# Altium PCB ASP-0.PcbDoc (part 2 of 4)
Units mm, origin at the board's own origin, x right, y up, seen from the top; angles counter-clockwise.
Board outline 200 x 170 mm, 2 copper layers (Top Layer, Bottom Layer); 290 components, 293 nets, 1338 pads, 464 vias.
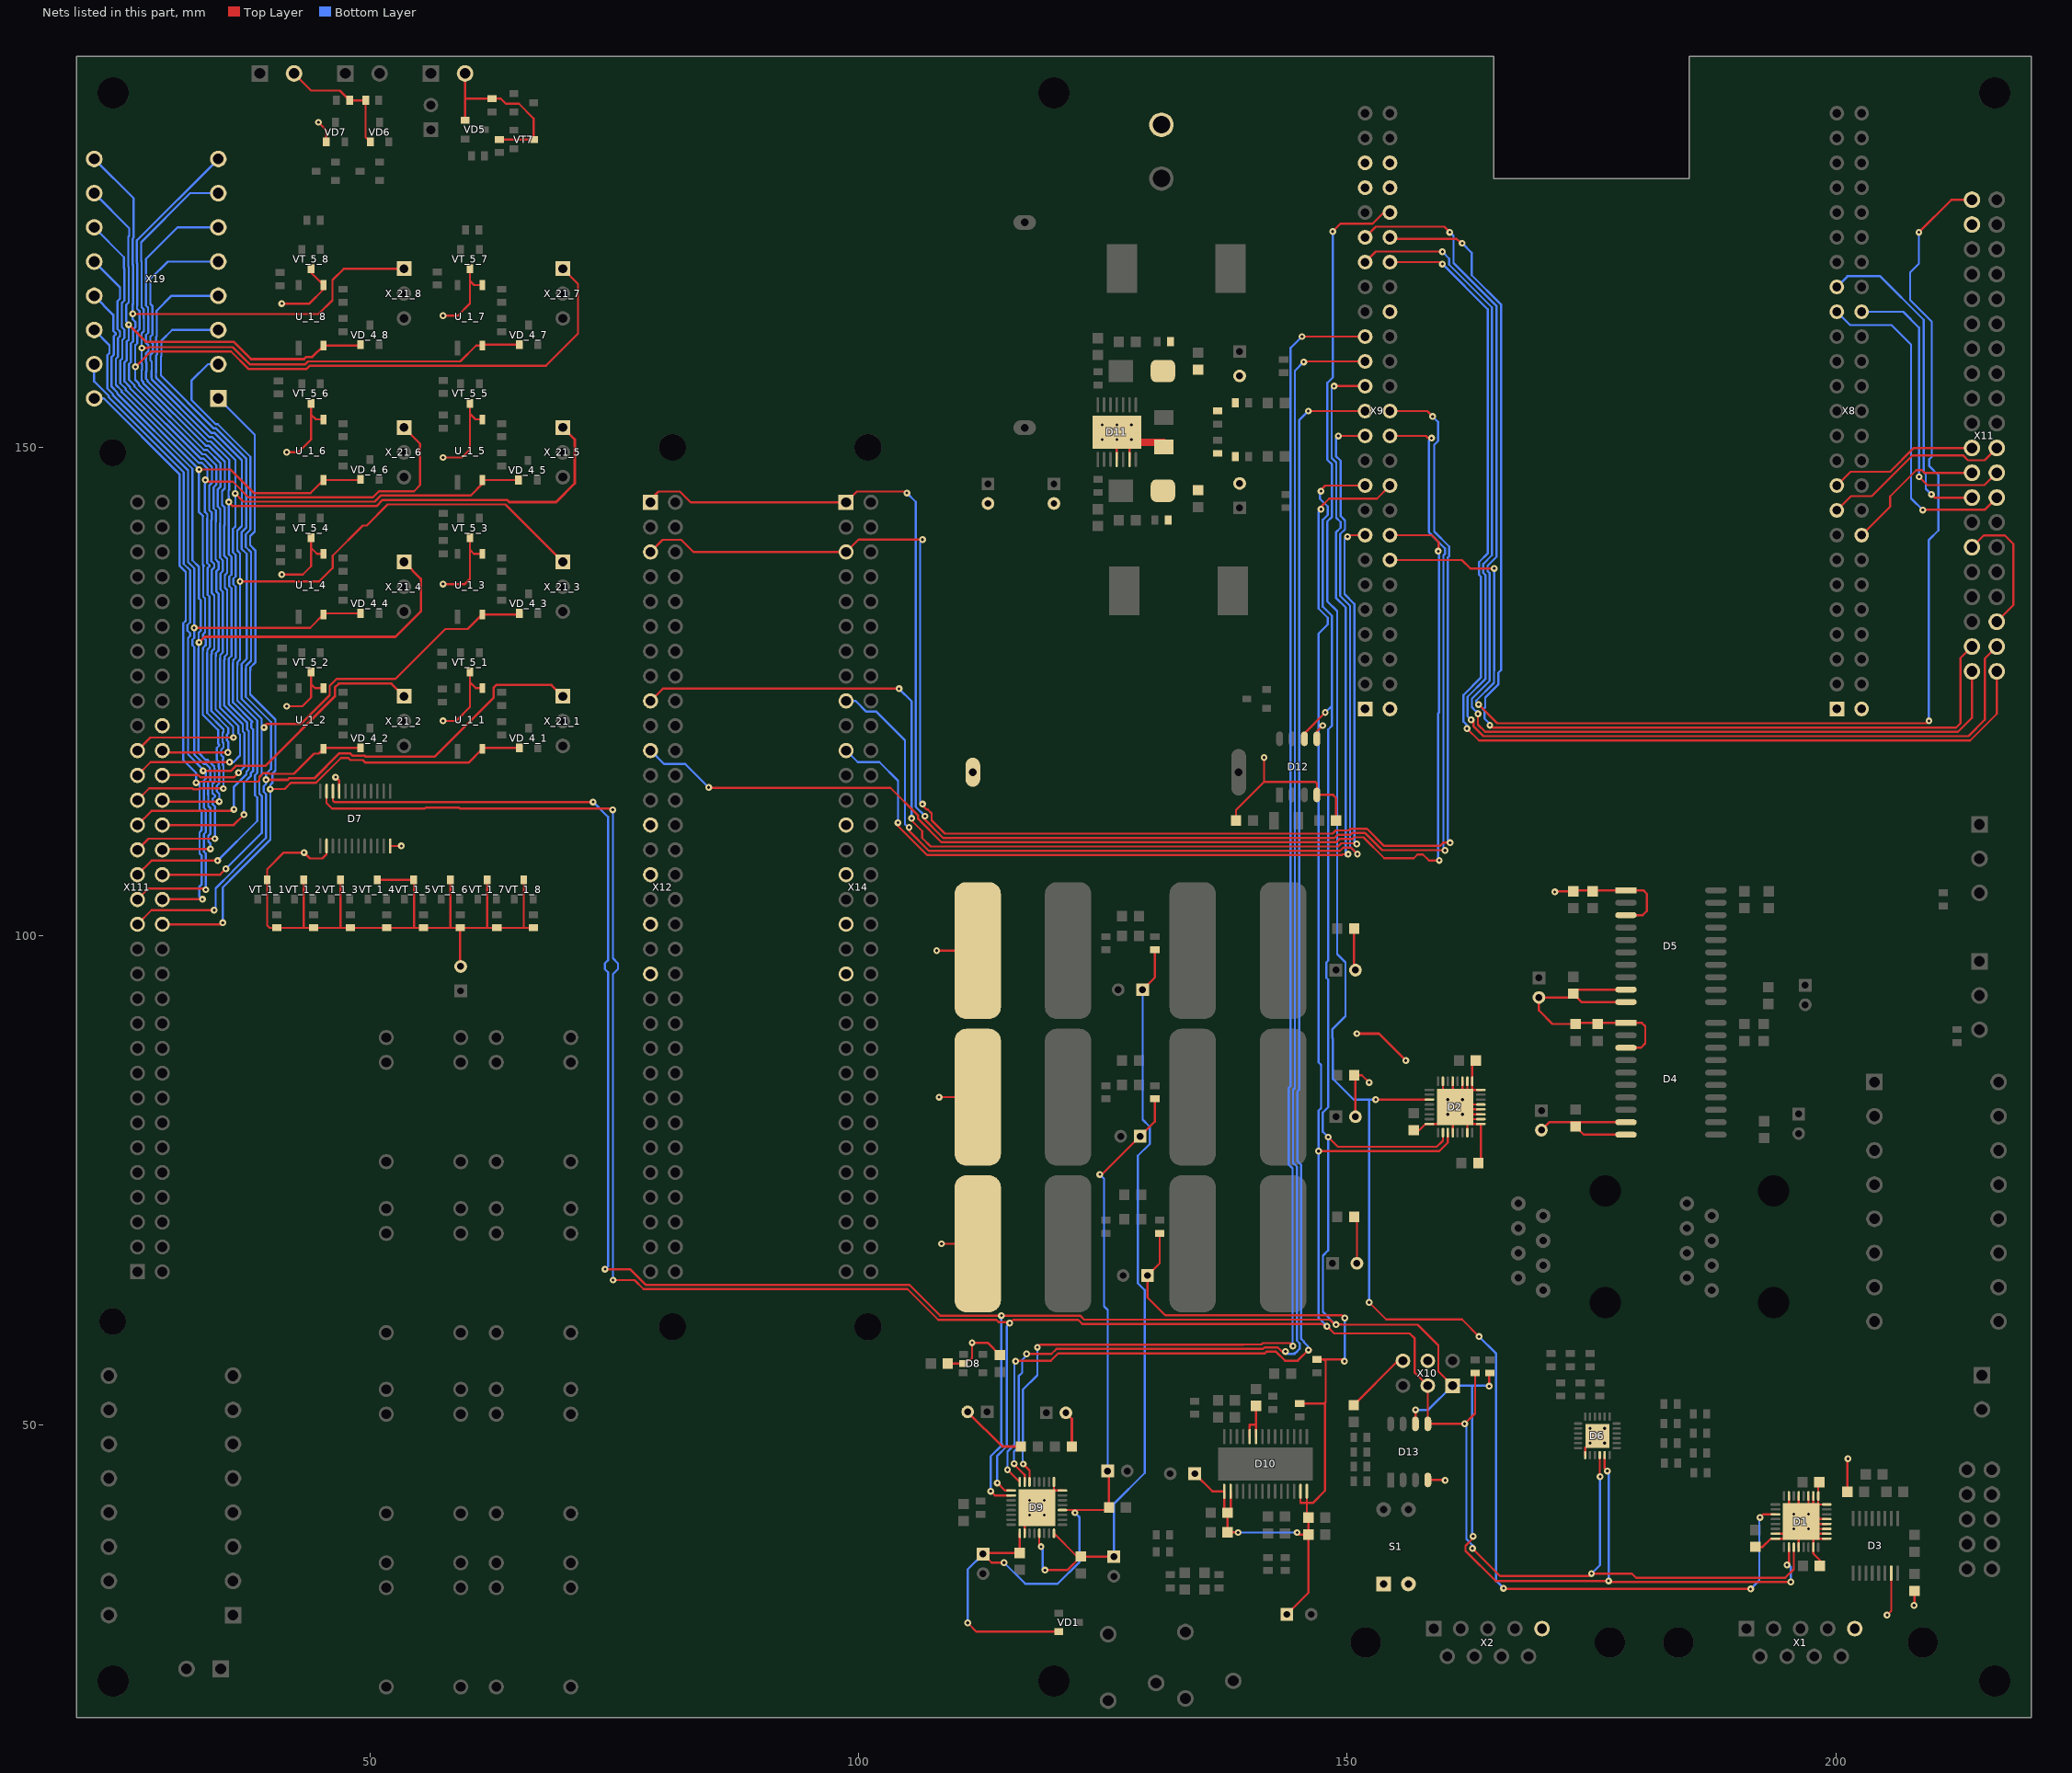
[diagram p2: the nets of this part, all layers, seen from the top]

## Via types
v1: diameter 0.7, hole 0.3, Top Layer to Bottom Layer, 444 vias
v2: diameter 0.7, hole 0.3, Top Layer to Bottom Layer, tented both sides, 20 vias

## Nets (pads, with @x,y where several pads share a name; then routed paths per layer and width w, separated by ;. In a path a pad name is that pad's centre, name@x,y a point inside that pad or via, vN(x,y) a via of type N, cw(c..) or ccw(c..) an arc to the next point about the centre after c; other vN are vias at no path point) (continued)
AUD_3V3: C27.1 C28.2 C29.1 C30.2 C67.1 D9.17 D9.28 L7.2 VD1.2 | length 90.4
  Top Layer w0.22: v1(111.175,29.7) 112.075,28.8 VD1.2@120.5,28.8 ; v1(114.9,35.875) 113.625,35.875 C27.1@112.75,36.75 112.865,36.865 C28.2@116.5,36.865 D9.17@116.5,38.875 ; D9.28@120.875,41.25 121.875,41.25 ; v1(122.15,40.975) 121.875,41.25 ; v1(124.7,75.6) 124.925,75.6 C67.1@128.825,79.5 130.325,81 L7.2@130.325,83.325 ; C29.1@125.5,45.25 125.635,45.115 C30.2@125.635,41.5 125.385,41.25 121.875,41.25
  Bottom Layer w0.22: v1(111.175,29.7) 111.175,35.175 C27.1@112.75,36.75 ; v1(114.9,35.875) 117.075,33.7 120.375,33.7 122.625,35.95 122.625,40.5 v1(122.15,40.975) ; v1(124.7,75.6) 125.135,75.165 125.135,62.093 125.5,61.728 125.5,53.825 C29.1@125.5,45.25
AUD_5V: C32.1 C33.2 C86.1 D9.21 D9.24 L15.2 | length 80.7
  Top Layer w0.22: D9.21@118.5,38.875 118.5,37.683 v1(118.681,37.502) ; v1(119.081,35.102) 121.362,35.102 C33.2@122.75,36.49 ; D9.24@120,38.875 122.385,36.49 C33.2@122.75,36.49 ; C32.1@126.125,36.475 122.765,36.475 C33.2@122.75,36.49 ; C86.1@129.075,94.5 130.325,95.75 L15.2@130.325,98.575
  Bottom Layer w0.22: v1@118.681,37.319 v1(118.681,37.502) 118.86,37.323 118.86,35.14 118.898,35.102 v1(119.081,35.102) ; C32.1@126.125,36.475 126.125,41.867 129.301,45.043 129.301,63.757 128.595,64.463 128.595,77.503 129.805,78.713 129.805,80.48 129.075,81.21 C86.1@129.075,94.5
AUD_12V: C34.1 C35.2 C37.2 C39.1 C40.2 C41.2 C72.1 D10.15 D10.16 D10.27 D10.28 L11.2 R4.1 R5.1 | length 88.3
  Top Layer w0.22: L11.2@130.825,69.575 130.825,66.5 C72.1@129.575,65.25 129.575,63 131.405,61.17 149.48,61.17 v1(149.75,60.9) ; C39.1@134.4,44.975 136.2,43.175 D10.15@137.425,43.175 137.425,41.315 C41.2@137.765,40.975 ; D10.16@138.075,43.175 138.075,41.285 C41.2@137.765,40.975 ; v1(138.85,38.95) 138.825,38.975 C40.2@137.765,38.975 C41.2@137.765,40.975 ; C34.1@143.825,30.575 146.035,32.785 C37.2@146.035,38.725 ; v1(144.875,38.95) 145.1,38.725 C37.2@146.035,38.725 ; R4.1@145.15,52.15 147.65,52.15 147.75,52.25 ; D10.27@145.225,43.175 145.225,41.975 145.875,41.975 ; D10.28@145.875,43.175 145.875,41.975 ; R5.1@146.9,56.65 147.625,56.65 ; v1(149.725,56.475) 149.55,56.65 147.625,56.65 ; 145.875,41.975 145.875,40.635 C35.2@146.035,40.475 C37.2@146.035,38.725 ; 145.875,41.975 146.475,41.975 147.75,43.25 147.75,52.25 ; 147.625,56.65 147.8,56.475 147.8,52.3 147.75,52.25
  Bottom Layer w0.22: v1(138.85,38.95) v1(144.875,38.95) ; v1(149.725,56.475) 149.75,56.475 v1(149.75,60.9)
AUDBCLK: D9.6 X9.31 | length 151.9
  Top Layer w0.22: v1(116.851,45.961) 117.5,45.312 D9.6@117.5,44.125 ; v1(118.306,57.903) 118.588,58.185 139.371,58.185 139.376,58.19 141.23,58.19 141.375,58.336 144.128,58.336 144.457,58.007 v1(144.457,58.028) ; v1(145.375,161.325) X9.31@151.844,161.325
  Bottom Layer w0.22: v1(116.851,45.961) 116.8,46.012 116.8,47.503 116.831,47.533 116.831,53.575 118.3,55.044 118.3,57.897 v1(118.306,57.903) ; v1(144.457,58.028) 144.578,58.028 144.42,58.186 144.42,76.202 144.025,76.597 144.025,84.439 144.21,84.624 144.21,160.16 v1(145.375,161.325)
AUDMCLK: D9.8 X9.25 | length 147.5
  Top Layer w0.22: v1(115.25,45.375) D9.8@116.5,44.125 ; v1(116.081,56.478) 116.136,56.533 119.683,56.533 120.43,57.28 141.564,57.28 141.74,57.456 142.719,57.456 143.64,56.535 144.947,56.535 v1(146.037,57.625) v1@146.325,57.625 ; v1(146.03,153.705) X9.25@151.844,153.705
  Bottom Layer w0.22: v1(115.25,45.375) 115.25,47.225 115.951,47.926 115.951,56.348 v1(116.081,56.478) ; v1(146.03,153.705) 145.09,152.765 145.09,84.26 144.905,84.075 144.905,76.962 145.3,76.567 145.3,58.769 145.577,58.492 145.577,58.424 145.995,58.006 145.995,57.667 v1(146.037,57.625)
AUDWCLK: D9.7 X9.29 | length 151.2
  Top Layer w0.22: v1(115.931,46.002) 115.931,45.919 117,44.85 D9.7@117,44.125 ; v1(117.206,57.228) 117.2,57.222 119.75,57.222 120.273,57.745 141.407,57.745 141.558,57.896 142.901,57.896 143.447,57.35 143.554,57.35 v1(143.682,57.478) ; v1(145.557,158.733) 145.537,158.733 145.485,158.785 X9.29@151.844,158.785
  Bottom Layer w0.22: v1(115.931,46.002) 115.9,46.033 115.9,47.225 116.391,47.716 116.391,54.941 116.761,55.311 116.761,56.611 117.206,57.056 v1(117.206,57.228) ; v1(143.682,57.478) 143.682,57.468 143.925,57.225 144.637,57.225 144.637,57.348 144.739,57.348 145.137,57.746 145.137,58.309 144.86,58.587 144.86,76.385 144.465,76.78 144.465,84.257 144.65,84.442 144.65,157.826 v1(145.557,158.733)
EHRPWM1A: X9.14 X11.1 | length 131.8
  Top Layer w0.22: X9.14@154.384,138.465 161.735,138.465 162.6,137.6 v1(165.05,137.6) ; v1(163.45,123.675) 165.365,121.76 209.289,121.76 v1(209.535,122.006) ; v1(208.5,172) 211.83,175.33 X11.1@213.93,175.33
  Bottom Layer w0.22: v1(163.45,123.675) 163.21,123.915 163.21,124.093 165.02,125.903 165.02,127.095 165.05,127.125 v1(165.05,137.6) ; v1(208.5,172) 208.5,168.785 207.605,167.89 207.605,165.067 209.815,162.857 209.815,149.027 209.57,148.782 209.57,148.07 210.5,147.14 210.5,141.5 209.525,140.525 209.525,121.996 v1(209.535,122.006)
EXT0_INT0: X9.15 X12.A9 | length 121.2
  Top Layer w0.22: X12.A9@78.73,124.05 79.98,125.3 v1(104.15,125.3) ; v1(105.43,112.03) 105.4,112 105.4,111.85 106.525,110.725 106.525,110.014 107.394,109.145 149.075,109.145 149.406,109.475 150.716,109.475 150.786,109.405 v1(150.982,109.405) ; v1(150.032,140.857) 150.18,141.005 X9.15@151.844,141.005
  Bottom Layer w0.22: v1(104.15,125.3) 105.43,124.02 v1(105.43,112.03) ; v1(150.032,140.857) 150.014,140.875 149.735,140.596 149.735,134.966 150.735,133.966 150.735,109.653 v1(150.982,109.405)
EXT0_INT1: X9.16 X12.A11 | length 124.3
  Top Layer w0.22: v1(84.675,115.2) 84.725,115.15 103.272,115.15 106.11,112.312 106.11,111.965 108.49,109.585 148.875,109.585 149.205,109.915 150.531,109.915 150.701,110.085 151.662,110.085 153.803,107.945 156.808,107.945 157.193,108.33 157.757,108.33 158.362,107.725 v1(159.425,107.725) ; X9.16@154.384,141.005 158.657,141.005 159.355,140.307 159.355,139.404 v1(159.32,139.369)
  Bottom Layer w0.22: X12.A11@78.73,118.97 80.1,117.6 82.275,117.6 v1(84.675,115.2) ; v1(159.32,139.369) 159.406,139.369 159.406,122.868 159.32,122.782 159.32,107.83 v1(159.425,107.725)
EXT1_INT0: X9.23 X14.A9 | length 111.3
  Top Layer w0.22: v1(105.18,111.105) 105.18,110.737 107.212,108.705 149.258,108.705 149.588,109.035 150.389,109.035 v1@151.049,108.375 ; v1(149.107,151.157) 149.115,151.165 X9.23@151.844,151.165
  Bottom Layer w0.22: X14.A9@98.73,124.05 99.707,124.05 100.812,122.945 101.83,122.945 104.75,120.025 104.75,111.425 105.07,111.105 v1(105.18,111.105) ; v1(149.107,151.157) 148.855,150.905 148.855,149.09 149.332,148.612 149.332,142.966 149.777,142.521 149.777,141.593 149.295,141.111 149.295,134.783 150.295,133.783 150.295,109.13 v1(151.05,108.375)
EXT1_INT1: X9.27 X14.A11 | length 111.2
  Top Layer w0.22: v1(104.045,111.589) 104.045,111.25 107.03,108.265 149.44,108.265 149.53,108.355 v1(150.107,108.355) ; v1(148.657,156.258) 151.831,156.258 X9.27@151.844,156.245
  Bottom Layer w0.22: X14.A11@98.73,118.97 99.925,117.775 102.15,117.775 104.045,115.88 v1(104.045,111.589) ; v1(148.657,156.258) 148.415,156.015 148.415,148.907 148.892,148.43 148.892,142.784 149.337,142.339 149.337,141.775 148.855,141.293 148.855,134.601 149.855,133.601 149.855,108.227 149.917,108.165 v1(150.107,108.355)
EXT_CLK: D1.3 D2.3 X9.42 | length 201.1
  Top Layer w0.22: v1(148.525,172.075) 149.325,172.875 152.6,172.875 153.75,174.025 X9.42@154.384,174.025 ; v1(152.25,62.5) 154,60.75 161.75,60.75 v1(163.5,59) ; v1(152.925,83.25) D2.3@158.425,83.25 ; v1(166,33.25) 166.073,33.177 v1(191.284,33.177) ; v1(192.25,40.5) 192.575,40.825 D1.3@193.825,40.825
  Bottom Layer w0.22: v1(148.525,172.075) 148.525,157.742 148.53,157.737 148.53,157.143 147.975,156.588 147.975,148.725 148.452,148.248 148.452,142.89 147.975,142.413 147.975,134.237 148.975,133.237 148.975,98.142 149.83,97.287 149.83,91.792 148.503,90.465 148.503,89.535 148.545,89.493 148.545,85.38 150.675,83.25 152.25,83.25 ; v1(152.25,62.5) 152.25,83.25 ; v1(152.925,83.25) 152.25,83.25 ; v1(163.5,59) 165.25,57.25 165.25,34 v1(166,33.25) ; v1(191.284,33.177) 192.18,34.072 192.18,40.43 v1(192.25,40.5)
GND: C3.2 C4.2 C5.2 C6.2 C7.2 C8.2 C9.2 C10.2 C11.1 C13.1 C22.2 C23.1 C24.1 C25.2 C26.1 C31.1 C49.1 C50.2 C54.2 C55.2 C59.2 C60.1 C61.2 C62.2 C63.2 C64.1 C68.2 C69.1 C73.1 C74.1 C75.1 C76.1 C77.1 C78.1 C79.2 C80.2 C81.2 C82.2 C83.1 D1.7 D1.8 D1.12 D1.15 D1.17 D1.18 D1.19 D1.20 D1.21 D1.24 D1.25 D1.26 D1.27 D1.29 D1.31 D1.33 D2.8 D2.12 D2.15 D2.17 D2.18 D2.19 D2.20 D2.21 D2.24 D2.25 D2.26 D2.27 D2.29 D2.31 D2.33 D3.15 D4.1 D4.3 D4.9 D4.10 D5.1 D5.3 D5.9 D5.10 D6.19 D6.25 D7.2 D7.12 D7.21 D8.2 D9.1 D9.18 D9.32 D9.33 D11.4 D11.6 D11.15 D12.4 D13.4 G1.- L2.1 L10.1 L14.1 R8.2 R9.2 R12.1 R14.1 R16.1 R17.1 R19.1 R21.1 R41.1 R43.1 R_3_1.1 R_3_2.1 R_3_3.1 R_3_4.1 R_3_5.1 R_3_6.1 R_3_7.1 R_3_8.1 S1.1 S1.3 U_1_1.3 U_1_2.3 U_1_3.3 U_1_4.3 U_1_5.3 U_1_6.3 U_1_7.3 U_1_8.3 VD2.1 VD3.1 VD5.1 VD6.1 VD7.1 VT7.3 VT_1_1.3 VT_1_2.3 VT_1_3.3 VT_1_4.3 VT_1_5.3 VT_1_6.3 VT_1_7.3 VT_1_8.3 VT_5_1.3 VT_5_2.3 VT_5_3.3 VT_5_4.3 VT_5_5.3 VT_5_6.3 VT_5_7.3 VT_5_8.3 X1.5 X2.5 X8.1 X8.2 X9.1 X9.2 X9.43 X9.44 X9.45 X9.46 X10.4 X10.6 X11.3 X11.29 X11.36 X12.A14 X12.A16 X12.A18 X12.A20 X14.A14 X14.A16 X14.A18 X14.A20 X20.2 X25.2 X71.2 X111.B23 | length 429.5
  Top Layer w0.22: v1(41,136.975) 43.15,136.975 44,137.825 44,139.7 ; v1(41,164.7) 43.825,164.7 45.27,166.145 U_1_8.3@45.27,166.6 44,167.87 VT_5_8.3@44,168.25 ; v1(41.5,123.5) 43.1,123.5 44,124.4 44,125.75 ; v1(41.5,149.5) 42.7,149.5 44,150.8 44,153.325 ; X71.2@42.25,188.25 44,186.5 46.925,186.5 R8.2@47.925,185.5 R9.2@49.575,185.5 49.575,181.725 VD6.1@50.05,181.25 ; 43.25,100.875 VT_1_2.3@43.25,105.75 ; VT_5_2.3@44,127 44,125.75 ; VT_5_4.3@44,140.75 44,139.7 ; VT_5_6.3@44,154.5 44,153.325 ; v1(44.75,183.25) 45.55,182.45 VD7.1@45.55,181.25 ; U_1_2.3@45.27,125.35 44.4,125.35 44,125.75 ; U_1_4.3@45.27,139.1 44.6,139.1 44,139.7 ; U_1_6.3@45.27,152.85 44.475,152.85 44,153.325 ; D7.2@45.575,109.2 45.575,108.35 45.15,107.925 43.875,107.925 v1(43.275,108.525) 41.2,108.525 39.5,106.825 VT_1_1.3@39.5,105.75 39.5,101.075 39.75,100.825 R_3_1.1@40.5,100.825 R_3_2.1@44.25,100.825 47,100.825 ; v1(46.5,116.25) 46.875,115.875 D7.21@46.875,114.8 ; VT_1_3.3@47,105.75 47,100.825 ; VT_1_4.3@50.75,105.75 VT_1_5.3@54.5,105.75 ; D7.12@52.075,109.2 v1(53.225,109.2) ; VT_1_5.3@54.525,105.725 54.525,100.825 ; v1(57.5,122) 58.825,122 60.25,123.425 60.25,125.95 ; v1(57.5,136) 59.725,136 60.25,136.525 60.25,139.5 ; v1(57.5,148.95) 59.425,148.95 60.25,149.775 60.25,153.425 ; v1(57.5,163.475) 59,163.475 60.25,164.725 60.25,167.025 ; VT_1_6.3@58.25,105.75 58.25,100.85 58.225,100.825 ; C79.2@59.3,96.875 59.25,96.925 R_3_6.1@59.25,100.825 ; VD5.1@59.75,183.45 59.75,185.675 ; X20.2@59.75,188.25 59.75,185.675 ; VT_5_1.3@60.25,127 60.25,125.95 ; VT_5_3.3@60.25,140.75 60.25,139.5 ; VT_5_5.3@60.25,154.5 60.25,153.425 ; VT_5_7.3@60.25,168.25 60.25,167.025 ; U_1_1.3@61.52,125.35 60.85,125.35 60.25,125.95 ; U_1_3.3@61.52,139.1 60.65,139.1 60.25,139.5 ; U_1_5.3@61.52,152.85 60.825,152.85 60.25,153.425 ; U_1_7.3@61.52,166.6 60.675,166.6 60.25,167.025 ; VT_1_7.3@62,105.75 62,100.825 ; R41.1@63.25,181.5 VT7.3@66.75,181.5 66.75,183.65 65.25,185.15 63.925,185.15 63.4,185.675 R43.1@62.5,185.675 59.75,185.675 ; VT_1_8.3@65.75,105.75 65.75,100.825 ; R_3_8.1@66.75,100.825 65.75,100.825 ; v1(108,98.5) L14.1@112.2,98.5 ; v1(108.25,83.5) L2.1@112.2,83.5 ; v1(108.5,68.5) L10.1@112.2,68.5 ; C24.1@109.14,56.25 D8.2@110.75,56.25 111.02,56.52 111.337,56.52 111.625,56.808 v1(111.625,58.375) 113.215,58.375 C31.1@114.475,57.115 ; D9.18@117,38.875 117,40.25 D9.33@118.25,41.5 D9.33@120,43.25 ; D9.1@120,44.125 D9.33@120,43.25 ; D9.32@120.875,43.25 D9.33@120,43.25 ; D11.4@126.431,148.75 v1(126.431,150.8) ; D11.6@127.731,148.75 127.731,150.6 v2(127.931,150.8) ; C80.2@138.635,111.8 138.635,112.885 141.5,115.75 ; v1(141.5,118.25) 141.5,115.75 ; C81.2@148.865,111.8 148.865,114.135 148.57,114.43 D12.4@146.905,114.43 146.905,115.595 146.75,115.75 141.5,115.75 ; C62.2@150.675,51.99 155.205,56.52 X10.6@155.71,56.52 ; C69.1@150.715,71.25 151,70.965 C68.2@151,66.5 ; C83.1@150.715,100.75 150.715,96.635 C82.2@150.85,96.5 ; C63.2@150.85,81.5 150.85,85.615 C64.1@150.715,85.75 151.5,85.75 v1(152.25,85) ; C74.1@156.8,80.135 157.4,80.135 158.015,80.75 D2.8@158.425,80.75 159.3,80.75 v1(160.3,81.75) D2.33@160.8,82.25 ; D13.4@158.255,44.33 159.995,44.33 v1(160.025,44.3) ; D2.31@159.8,85.125 159.8,83.75 v1(160.3,83.25) 160.8,83.75 D2.29@160.8,85.125 ; D2.12@160.8,79.875 D2.33@160.8,82.25 ; D2.27@161.8,85.125 v1(161.8,83.25) ; D2.15@162.3,79.875 D2.33@162.3,81.25 ; D2.26@162.3,85.125 D2.33@162.3,83.75 ; C78.1@163.165,87.25 162.8,86.885 D2.25@162.8,85.125 D2.33@162.8,84.25 ; C76.1@163.415,76.75 163.675,77.01 D2.17@163.675,80.75 162.8,80.75 D2.33@162.3,81.25 ; D2.18@163.675,81.25 D2.33@162.3,81.25 ; D2.19@163.675,81.75 v1(161.8,81.75) ; D2.20@163.675,82.25 162.3,82.25 v1(161.8,81.75) ; D2.21@163.675,82.75 162.3,82.75 v1(161.8,83.25) ; D2.24@163.675,84.25 D2.33@162.8,84.25 ; C3.2@169.875,80.127 170.68,80.932 D4.9@178.525,80.932 ; v1(171.25,104.5) 171.317,104.567 C9.2@173.125,104.567 173.225,104.667 D5.1@178.525,104.667 180.308,104.667 180.675,104.3 180.675,102.55 180.252,102.127 D5.3@178.525,102.127 ; C6.2@173.375,80.512 174.225,79.662 D4.10@178.525,79.662 ; D6.19@174.35,46.875 174.38,46.905 174.38,47.63 v1(174.85,48.1) D6.25@175.6,48.85 ; D4.3@178.525,88.552 180.052,88.552 180.5,89 180.5,90.75 180.158,91.092 D4.1@178.525,91.092 173.475,91.092 C5.2@173.375,90.992 171.008,90.992 169.625,92.375 C7.2@169.625,93.702 172.74,93.702 C10.2@173.125,94.087 ; D5.10@178.525,93.237 173.975,93.237 C10.2@173.125,94.087 ; D5.9@178.525,94.507 173.545,94.507 C10.2@173.125,94.087 ; C73.1@191.775,37.485 192.515,37.485 193.355,38.325 D1.8@193.825,38.325 194.7,38.325 195.2,38.825 D1.7@193.825,38.825 ; D1.31@195.2,42.7 195.2,41.325 v1(195.7,40.825) 196.2,41.325 D1.29@196.2,42.7 ; v1(195.7,39.325) 196.2,38.825 D1.12@196.2,37.45 ; D1.27@197.2,42.7 v1(197.2,40.825) D1.33@197.7,41.325 ; D1.26@197.7,42.7 D1.33@197.7,41.325 ; C77.1@198.315,44.125 198.2,44.01 D1.25@198.2,42.7 D1.33@198.2,41.825 ; C75.1@198.365,35.525 198.365,36.135 197.7,36.8 D1.15@197.7,37.45 D1.33@197.7,38.825 ; D1.17@199.075,38.325 198.2,38.325 D1.33@197.7,38.825 ; D1.18@199.075,38.825 D1.33@197.7,38.825 ; D1.19@199.075,39.325 v1(197.2,39.325) ; D1.20@199.075,39.825 D1.33@197.7,39.825 ; D1.21@199.075,40.325 198.2,40.325 D1.33@197.7,39.825 ; D1.24@199.075,41.825 D1.33@198.2,41.825 ; C13.1@201.185,43.1 201.185,46.435 v1(201.25,46.5) ; v1(205.25,30.5) 205.675,30.925 D3.15@205.675,34.8 ; v1(208,31.5) 208.05,31.55 C11.1@208.05,32.985 ; X11.29@213.93,139.77 215.135,140.975 217.3,140.975 218.175,140.1 218.175,133.855 X11.36@216.47,132.15 ; 47,100.825 R_3_3.1@48,100.825 R_3_4.1@51.75,100.825 54.525,100.825 ; 54.525,100.825 R_3_5.1@55.5,100.825 58.225,100.825 ; 58.225,100.825 R_3_6.1@59.25,100.825 ; R_3_6.1@59.25,100.825 62,100.825 ; 62,100.825 R_3_7.1@63,100.825 65.75,100.825 ; D2.33@160.8,82.25 D2.33@161.05,82.5 D2.33@162.3,81.25 ; v1(161.8,81.75) D2.33@162.3,81.25 ; v1(161.8,83.25) D2.33@162.3,83.75 ; D2.33@162.3,83.75 D2.33@162.8,84.25 ; v1(197.2,39.325) D1.33@197.7,39.825 ; v1(197.2,39.325) D1.33@197.7,38.825 ; D1.33@197.7,41.325 D1.33@198.2,41.825
  Top Layer w0.25: C22.2@111.175,51.3 114.725,47.75 C23.1@116.61,47.75 ; C25.2@121.225,51.2 121.84,50.585 C26.1@121.84,47.75 ; v1(151,90) 153.25,90 v1(156,87.25)
  Top Layer w0.75: v2(127.931,150.8) 128.231,150.5 131.25,150.5 C61.2@131.25,150.05
  other v1: 117.5,40.75 119,40.75 117.5,42.25 119,42.25 176.35,48.1 174.85,49.6 176.35,49.6 126.431,152.3
  other v2: 124.931,150.8 124.931,152.3 127.931,152.3
GNDA_ADC: X9.34
GVDD: C36.2 D10.9 D10.10 | length 6.2
  Top Layer w0.22: D10.10@140.025,48.775 140.025,50 140.62,50 ; 140.675,50.055 D10.9@140.675,48.775 C36.2@140.675,51.91
I2C1_SCL: X9.24 X12.A1 X14.A1 | length 164.7
  Top Layer w0.22: X12.A1@78.73,144.37 78.73,144.655 79.55,145.475 81.728,145.475 82.833,144.37 X14.A1@98.73,144.37 99.835,145.475 104.8,145.475 v1(104.95,145.325) ; v1(106.805,112.255) 106.73,112.255 106.586,112.111 108.672,110.025 148.693,110.025 149.023,110.355 150.348,110.355 150.518,110.525 151.845,110.525 153.6,108.77 159.993,108.77 v1(160.008,108.755) ; X9.24@154.384,151.165 158.06,151.165 158.293,150.932 v1(158.633,150.932)
  Bottom Layer w0.22: v1(104.95,145.325) 105.87,144.405 105.87,113.2 106.72,112.351 106.72,112.255 v1(106.805,112.255) ; v1(158.633,150.932) 158.38,150.68 158.38,141.282 160,139.662 160,139.079 159.846,138.925 159.846,108.779 159.87,108.755 v1(160.008,108.755)
I2C1_SDA: X9.26 X12.A3 X14.A3 | length 162.8
  Top Layer w0.22: X12.A3@78.73,139.29 79.965,140.525 81.875,140.525 83.11,139.29 X14.A3@98.73,139.29 99.997,140.557 v1(106.555,140.557) ; v1(106.555,113.481) 106.555,113.345 106.965,112.935 107.087,112.935 107.485,112.537 107.485,111.834 108.855,110.465 148.51,110.465 148.841,110.795 150.166,110.795 150.336,110.965 152.027,110.965 153.782,109.21 159.501,109.21 159.829,109.538 v1(160.526,109.538) ; X9.26@154.384,153.705 158.195,153.705 v1(158.75,153.15)
  Bottom Layer w0.22: v1(106.555,113.481) 106.31,113.726 106.31,140.312 v1(106.555,140.557) ; v1(158.75,153.15) 159.313,152.587 159.313,150.651 158.914,150.252 158.914,141.37 160.44,139.844 160.44,138.854 160.286,138.7 160.286,109.778 v1(160.526,109.538)
I2C2_SCL: D1.10 D2.10 D6.23 D7.22 D9.10 D12.6 D13.6 R36.1 X9.19 X10.1 | length 381.2
  Top Layer w0.22: D7.22@46.225,114.8 46.225,113.85 46.38,113.695 72.845,113.695 v1(72.85,113.7) ; v1(74.075,65.9) 76.625,65.9 78.225,64.3 105.2,64.3 108.352,61.148 v1(114.627,61.148) 122.67,61.148 123.088,60.73 148.218,60.73 148.72,60.228 v1(148.857,60.228) 149.46,60.228 149.468,60.22 157.205,60.22 159.33,58.095 159.33,55.44 X10.1@160.79,53.98 ; v1(113.525,43.175) 113.95,42.75 D9.10@115.625,42.75 ; D12.6@145.635,120.17 145.635,120.735 v1(147.757,122.856) ; v1(147.332,145.507) 147.332,145.657 147.76,146.085 X9.19@151.844,146.085 ; v1(148.063,79.412) 149.05,78.425 159.175,78.425 159.8,79.05 D2.10@159.8,79.875 ; D13.6@156.985,50.07 157,50.085 v1(157,51.5) ; v1(162.881,38.57) 162.881,38.356 162.107,37.582 162.107,37.082 165.188,34 v1(176.75,34) 176.87,33.88 195.38,33.88 v1(195.4,33.9) ; v1(164.525,53.925) 164.525,55.2 R36.1@164.6,55.275 ; D6.23@176.35,46.875 176.35,45.525 v1(176.625,45.25) ; v1(195.01,35.627) 195.2,35.817 D1.10@195.2,37.45
  Bottom Layer w0.22: v1(72.85,113.7) 74.375,112.175 74.375,97.512 74.045,97.182 74.045,96.618 74.375,96.288 74.375,66.2 v1(74.075,65.9) ; v1(113.525,43.175) 113.52,43.18 113.52,46.74 114.725,47.945 114.627,48.042 v1(114.627,61.148) ; v1(147.332,145.507) 147.207,145.507 147.207,144.744 148.012,143.939 148.012,143.072 147.515,142.575 147.515,133.682 148.452,132.745 148.452,123.551 ; v1(147.757,122.856) 148.452,123.551 ; v1(148.857,60.228) 148.822,60.228 147.52,61.53 147.52,67.287 148.063,67.83 v1(148.063,79.412) 147.515,79.96 147.515,81.932 148.063,82.48 148.063,95.52 147.87,95.713 147.87,97.287 148.063,97.48 148.063,121.127 148.452,121.516 148.452,123.551 ; v1(157,51.5) 158.31,51.5 X10.1@160.79,53.98 162.8,53.98 ; v1(162.881,38.57) 162.8,38.651 162.8,53.98 ; v1(164.525,53.925) 164.47,53.98 162.8,53.98 ; v1(176.625,45.25) 176.75,45.125 v1@176.75,34 ; v1(195.01,35.627) 195.223,35.627 195.4,35.45 v1(195.4,33.9)
I2C2_SDA: D1.11 D2.11 D6.22 D7.23 D9.9 D12.5 D13.5 R35.1 X9.20 X10.3 | length 373.9
  Top Layer w0.22: D7.23@45.575,114.8 45.575,113.6 46.145,113.03 55.643,113.03 55.743,113.13 59.163,113.13 59.273,113.02 74.73,113.02 v1(74.85,112.9) ; v1(74.883,64.783) 77.085,64.783 78.009,63.86 105.018,63.86 108.17,60.708 114.105,60.708 114.345,60.468 115.382,60.468 v1(115.475,60.375) 115.808,60.708 122.488,60.708 122.906,60.29 147.45,60.29 147.69,60.05 v1(147.937,60.05) ; v1(114.2,44.025) 114.975,43.25 D9.9@115.625,43.25 ; D12.5@146.905,120.17 146.905,120.93 v1(147.5,121.525) ; v1(147.075,77.975) 159.425,77.975 160.3,78.85 D2.11@160.3,79.875 ; v1(147.332,143.657) 147.332,143.932 148.15,144.75 153.049,144.75 X9.20@154.384,146.085 ; v1@147.937,60.29 147.937,60.063 148.675,59.325 156.4,59.325 156.925,58.8 156.925,55.305 X10.3@158.25,53.98 158.255,53.975 D13.5@158.255,50.07 162.02,50.07 v1(162.025,50.075) 163.1,51.15 R35.1@163.1,55.275 ; v1(162.825,37.325) 165.65,34.5 174.75,34.5 v1(175,34.75) 179.128,34.75 179.558,34.32 194.82,34.32 195.7,35.2 D1.11@195.7,37.45 ; D6.22@175.85,46.875 175.85,44.71 v1(175.884,44.677)
  Bottom Layer w0.22: v1(74.85,112.9) 74.883,112.867 74.883,97.704 75.405,97.182 75.405,96.618 74.883,96.096 v1(74.883,64.783) ; v1(114.2,44.025) 114.2,46.797 115.175,47.772 115.175,60.075 v1(115.475,60.375) ; v1(147.332,143.657) 147.075,143.4 147.075,133.5 148.012,132.563 148.012,131.875 147.075,130.938 147.075,87.062 147.33,86.807 147.33,82.369 147.075,82.114 v1(147.075,77.975) 147.075,60.912 v1(147.937,60.05) ; v1(162.025,50.075) 162.201,49.899 162.201,38.288 162.825,37.664 v1(162.825,37.325) ; v1(175,34.75) 175.884,35.634 v1(175.884,44.677) v1@175.973,44.677
IN_N1: U_1_1.2 VD_4_1.1 X19.1 X111.B15 | length 93
  Top Layer w0.22: X111.B15@28.77,101.19 34.79,101.19 v1(34.95,101.35) ; v1(39.825,115.025) 41.3,115.025 41.545,115.27 41.545,115.282 41.943,115.68 44.512,115.68 47.042,118.211 47.809,118.211 48.025,117.995 49.289,117.995 49.559,117.725 60.095,117.725 U_1_1.2@61.52,119.15 61.62,119.25 VD_4_1.1@65.3,119.25
  Bottom Layer w0.22: X19.1@34.5,155 38.225,151.275 38.225,141.384 37.755,140.914 37.755,139.986 38.285,139.456 38.285,127.979 37.775,127.469 37.775,127.184 37.755,127.164 37.755,124.72 40.34,122.135 40.34,116.907 40.055,116.622 40.055,115.693 39.825,115.463 v1(39.825,115.025) 39.825,109.85 36.395,106.42 36.395,106.411 34.95,104.966 v1(34.95,101.35)
IN_N2: U_1_2.2 VD_4_2.1 X19.2 X111.B16 | length 79.6
  Top Layer w0.22: X111.B16@28.77,103.73 28.79,103.75 v1(32.875,103.75) ; v1(32.227,115.681) 32.326,115.78 38.562,115.78 38.695,115.913 38.695,116.257 39.093,116.655 39.657,116.655 39.722,116.59 42.231,116.59 44.292,118.651 44.771,118.651 U_1_2.2@45.27,119.15 45.37,119.25 VD_4_2.1@49.05,119.25
  Bottom Layer w0.22: X19.2@21.8,155 22.783,155 30.525,147.258 30.525,137.882 31.175,137.232 31.175,132.259 30.905,131.989 30.905,117.991 32.227,116.669 v1(32.227,115.681) ; 32.585,115.781 32.585,112.937 32.785,112.737 32.785,110.791 32.58,110.586 32.58,108.436 32.785,108.231 32.785,105.247 32.545,105.007 32.545,104.08 v1(32.875,103.75)
IN_N3: U_1_3.2 VD_4_3.1 X19.5 X111.B17 | length 105.6
  Top Layer w0.22: X111.B17@28.77,106.27 34.67,106.27 v1(35.275,106.875) ; v1(39.177,121.331) 39.177,121.452 39.425,121.7 42.975,121.7 45.9,124.625 45.9,125.6 46.6,126.3 52.625,126.3 57.725,131.4 60.025,131.4 61.52,132.895 U_1_3.2@61.52,132.9 65.2,132.9 VD_4_3.1@65.3,133
  Bottom Layer w0.22: X19.5@34.5,162 29.775,162 28.675,160.9 28.675,159.322 28.625,159.272 28.625,157.353 34.053,151.925 34.265,151.925 37.345,148.845 37.345,141.748 36.875,141.278 36.875,139.622 37.405,139.092 37.405,128.343 36.895,127.833 36.895,127.548 36.875,127.528 36.875,124.278 38.94,122.213 v1@38.94,121.35 ; v1(35.275,106.875) 38.945,110.545 38.945,114.321 38.705,114.561 38.705,115.683 38.695,115.693 38.695,116.257 38.94,116.502 v1@38.94,121.331 ; v1@39.158,121.35 v1(39.177,121.331)
IN_N4: U_1_4.2 VD_4_4.1 X19.6 X111.B18 | length 81.5
  Top Layer w0.22: X111.B18@28.77,108.81 28.86,108.9 v1(33.7,108.9) ; v1(32.025,131.525) 43.895,131.525 U_1_4.2@45.27,132.9 45.37,133 VD_4_4.1@49.05,133
  Bottom Layer w0.22: X19.6@21.8,162 23.355,160.445 23.355,159.628 23.145,159.418 23.145,156.01 23.725,155.43 23.725,155.302 31.405,147.622 31.405,138.247 32.055,137.597 32.055,130.517 31.845,130.307 31.845,129.743 32.035,129.553 32.035,118.569 33.018,117.586 33.233,117.586 33.652,117.167 33.652,116.952 33.7,116.904 33.7,115.956 33.465,115.721 33.465,114.429 33.48,114.414 33.48,113.286 33.7,113.066 33.7,110.462 33.47,110.232 33.47,109.668 33.7,109.438 v1(33.7,108.9)
IN_N5: U_1_5.2 VD_4_5.1 X19.9 X111.B19 | length 107.9
  Top Layer w0.22: X111.B19@28.77,111.35 36.075,111.35 v1(37.125,112.4) ; v1(36.225,145.275) 37.06,144.44 50.503,144.44 51.123,145.06 60.31,145.06 61.52,146.27 U_1_5.2@61.52,146.65 VD_4_5.1@65.225,146.65
  Bottom Layer w0.22: X19.9@34.5,169 29.325,169 27.55,167.225 27.55,164.678 27.75,164.478 27.75,163.576 27.77,163.556 27.77,161.534 27.55,161.314 27.55,160.859 27.795,160.614 27.795,159.686 27.55,159.441 27.55,158.906 27.685,158.771 27.685,157.83 27.67,157.815 27.67,157.085 27.685,157.07 27.685,156.943 33.583,151.045 33.9,151.045 36.255,148.69 36.255,141.903 35.995,141.643 35.995,139.257 36.285,138.967 36.285,136.797 36.045,136.557 36.045,135.993 36.285,135.753 36.285,128.468 36.015,128.198 36.015,127.913 35.995,127.893 35.995,123.913 38,121.909 37.88,121.789 37.88,121.298 38.05,121.128 38.05,116.856 37.815,116.621 37.815,116.356 37.125,115.666 v1(37.125,112.4)
IN_N6: U_1_6.2 VD_4_6.1 X19.10 X111.B20 | length 85.9
  Top Layer w0.22: X111.B20@28.77,113.89 28.91,113.75 v1(34.6,113.75) ; v1(32.525,147.725) 35.725,147.725 38.13,145.32 43.94,145.32 U_1_6.2@45.27,146.65 48.975,146.65 VD_4_6.1@49.05,146.725
  Bottom Layer w0.22: X19.10@21.8,169 24.45,166.35 24.45,165.203 24.19,164.943 24.19,162.101 24.45,161.841 24.45,161.376 24.235,161.161 24.235,159.263 24.025,159.053 24.025,156.375 24.605,155.795 24.605,155.667 v1@32.497,147.775 ; v1@32.497,147.725 32.497,143.405 32.935,142.967 32.935,142.939 32.915,142.919 32.915,137.981 33.014,137.882 32.965,137.832 32.965,134.718 33.145,134.538 33.145,131.061 32.935,130.851 32.935,130.577 33.205,130.307 33.205,129.743 32.935,129.473 32.935,129.189 32.915,129.169 32.915,122.637 34.49,121.062 34.49,119.654 34.58,119.564 34.58,119.464 34.355,119.239 34.355,118.026 34.532,117.849 34.532,117.317 34.58,117.269 34.58,115.592 34.345,115.357 34.345,114.793 34.6,114.538 v1(34.6,113.75)
IN_N7: U_1_7.2 VD_4_7.1 X19.13 X111.B21 | length 118.4
  Top Layer w0.22: v1(26.675,160.15) 26.675,160.175 27.353,160.175 27.418,160.24 35.982,160.24 37.757,158.465 43.368,158.465 43.693,158.79 59.265,158.79 60.875,160.4 U_1_7.2@61.52,160.4 61.62,160.5 VD_4_7.1@65.3,160.5 ; X111.B21@28.77,116.43 28.801,116.461 32.435,116.461 32.67,116.226 36.101,116.226 v1(36.575,116.7)
  Bottom Layer w0.22: X19.13@34.5,176 31.625,176 26.61,170.985 26.61,169.043 26.65,169.003 26.65,164.334 26.87,164.114 26.87,163.211 26.89,163.191 26.89,161.899 26.65,161.659 26.65,158.562 26.705,158.507 26.705,157.943 26.65,157.888 26.65,156.861 26.805,156.706 26.805,156.578 33.218,150.165 33.536,150.165 35.177,148.524 35.177,145.811 34.895,145.529 34.895,144.118 35.135,143.878 35.135,142.027 35.115,142.007 35.115,138.893 35.405,138.603 35.405,137.161 35.165,136.921 35.165,135.629 35.405,135.389 35.405,128.832 35.135,128.562 35.135,128.277 35.115,128.257 35.115,123.549 37,121.664 37,120.934 37.17,120.764 37.17,117.295 v1(36.575,116.7)
IN_N8: U_1_8.2 VD_4_8.1 X19.14 X111.B22 | length 97.2
  Top Layer w0.22: X111.B22@28.77,118.97 28.965,118.775 v1(35.475,118.775)
  Top Layer w0.25: v1(25.33,162.545) 27.075,160.8 36.066,160.8 37.841,159.025 43.284,159.025 43.504,159.245 44.115,159.245 U_1_8.2@45.27,160.4 48.95,160.4 VD_4_8.1@49.05,160.5
  Bottom Layer w0.22: X19.14@21.8,176 25.385,172.415 25.385,171.63 25.29,171.535 25.29,168.496 25.33,168.456 25.33,164.839 25.07,164.579 25.07,162.871 25.33,162.611 v1(25.33,162.545) 25.33,161.011 25.115,160.796 25.115,158.899 24.905,158.689 24.905,156.739 25.485,156.159 25.485,156.031 32.671,148.845 32.989,148.845 33.857,147.977 33.857,146.357 33.575,146.076 33.575,143.572 33.815,143.332 33.815,142.574 33.795,142.554 33.795,138.346 34.085,138.056 34.085,137.708 33.845,137.468 33.845,135.082 34.085,134.842 34.085,129.379 33.815,129.109 33.815,128.824 33.795,128.804 33.795,123.002 35.525,121.272 35.525,120.737 35.37,120.582 35.37,120.018 35.525,119.863 35.525,118.825 v1(35.475,118.775)
IN_P1: X19.3 X111.A15 X_21_1.1 | length 108.7
  Top Layer w0.22: X111.A15@26.23,101.19 27.665,102.625 v1(34.075,102.625)
  Top Layer w0.25: v1(39.375,115.975) 41.595,115.975 41.755,116.135 44.323,116.135 46.854,118.666 47.997,118.666 48.213,118.45 49.477,118.45 49.582,118.345 56.62,118.345 62.68,124.405 62.68,125.418 62.937,125.675 68.595,125.675 X_21_1.1@69.75,124.52
  Bottom Layer w0.22: v1(34.075,102.625) 34.225,102.775 34.225,104.863 35.955,106.593 35.955,106.602 39.385,110.032 39.385,114.503 39.145,114.743 39.145,115.307 39.385,115.547 39.385,116.574 39.9,117.089 39.9,121.875 37.315,124.46 37.315,127.346 37.335,127.366 37.335,127.651 37.845,128.161 37.845,139.274 37.315,139.804 37.315,141.096 37.785,141.566 37.785,149.027 34.447,152.365 34.235,152.365 31.75,154.85 31.75,156.8 33.45,158.5 X19.3@34.5,158.5
IN_P2: X19.4 X111.A16 X_21_2.1 | length 92.1
  Top Layer w0.22: X111.A16@26.23,103.73 27.335,104.835 33.115,104.835 v1(33.225,104.725)
  Top Layer w0.25: v1(32.952,116.906) 32.972,116.885 35.777,116.885 36.287,117.395 39.313,117.395 46.43,124.512 46.43,125.418 46.837,125.825 52.195,125.825 X_21_2.1@53.5,124.52
  Bottom Layer w0.22: X19.4@21.8,158.5 21.8,156.733 23.285,155.248 23.285,155.12 30.965,147.44 30.965,138.065 31.615,137.415 31.615,132.077 31.345,131.807 31.345,131.243 31.615,130.973 31.615,130.699 31.405,130.489 31.405,118.577 v1@33.014,116.968 ; v1@33.02,116.962 33.225,116.757 33.225,116.103 33.025,115.903 33.025,113.119 33.225,112.919 33.225,110.609 33.02,110.404 33.02,108.618 33.225,108.413 v1(33.225,104.725)
  Bottom Layer w0.25: v1(32.952,116.906) v1@32.957,116.9
IN_P3: X19.7 X111.A17 X_21_3.1 | length 118.6
  Top Layer w0.22: X111.A17@26.23,106.27 27.66,107.7 v1(34.425,107.7) ; v1(36.725,136.275) 44.825,136.275 46.2,137.65 46.2,138.917 49.278,141.995 49.682,141.995 51.837,144.15 63.87,144.15 X_21_3.1@69.75,138.27
  Bottom Layer w0.22: v1(34.425,107.7) 38.49,111.765 38.49,114.154 38.255,114.389 38.255,116.439 38.49,116.674 38.49,122.041 36.435,124.095 36.435,127.711 36.455,127.731 36.455,128.015 36.725,128.285 36.725,139.149 36.435,139.439 36.435,141.461 36.905,141.931 36.905,148.662 34.082,151.485 33.765,151.485 28.125,157.125 28.125,157.253 28.11,157.268 28.11,157.632 28.125,157.647 28.125,159.394 28.235,159.504 28.235,160.796 28.125,160.906 28.125,161.267 28.21,161.352 28.21,163.738 28.19,163.758 28.19,163.965 29.725,165.5 X19.7@34.5,165.5
IN_P4: X19.8 X111.A18 X_21_4.1 | length 99.9
  Top Layer w0.22: X111.A18@26.23,108.81 27.37,109.95 v1(34.15,109.95)
  Top Layer w0.25: v1(32.525,130.025) 33.1,130.6 52.625,130.6 55.225,133.2 55.225,136.545 X_21_4.1@53.5,138.27
  Bottom Layer w0.22: X19.8@21.8,165.5 23.75,163.55 23.75,161.919 24.01,161.659 24.01,161.558 23.795,161.343 23.795,159.446 23.585,159.236 23.585,156.192 24.165,155.612 24.165,155.485 31.845,147.805 31.845,138.429 32.525,137.749 32.525,134.535 32.705,134.355 32.705,131.243 32.495,131.033 32.495,129.371 32.475,129.351 32.475,118.751 33.201,118.026 33.416,118.026 34.092,117.349 34.092,117.135 34.14,117.086 34.14,115.774 33.905,115.539 33.905,114.611 34.15,114.366 34.15,114.262 33.92,114.032 33.92,113.468 34.15,113.238 v1(34.15,109.95)
IN_P5: X19.11 X111.A19 X_21_5.1 | length 124.6
  Top Layer w0.22: X111.A19@26.23,111.35 27.665,112.785 35.935,112.785 v1(36.1,112.95)
  Top Layer w0.25: v1(35.575,144.4) 35.99,143.985 50.692,143.985 51.312,144.605 64.058,144.605 64.268,144.395 69.07,144.395 70.975,146.3 70.975,150.795 X_21_5.1@69.75,152.02
  Bottom Layer w0.22: X19.11@34.5,172.5 30.325,172.5 27.11,169.285 27.11,164.496 27.31,164.296 27.31,163.393 27.33,163.373 27.33,161.717 27.11,161.497 27.11,160.677 27.355,160.432 27.355,159.868 27.11,159.623 27.11,158.724 27.145,158.689 27.145,157.761 27.11,157.726 27.11,157.023 27.245,156.888 27.245,156.76 33.4,150.605 33.718,150.605 35.617,148.706 35.617,145.628 35.545,145.557 35.545,144.993 35.575,144.963 35.575,141.845 35.555,141.825 35.555,139.075 35.845,138.785 35.845,136.979 35.605,136.739 35.605,135.811 35.845,135.571 35.845,128.65 35.575,128.38 35.575,128.095 35.555,128.075 35.555,123.731 37.44,121.846 37.44,121.116 37.61,120.946 37.61,117.038 37.375,116.803 37.375,116.538 36.1,115.263 v1(36.1,112.95)
IN_P6: X19.12 X111.A20 X_21_6.1 | length 103.7
  Top Layer w0.22: X111.A20@26.23,113.89 27.44,115.1 31.846,115.1 31.945,115.001 32.508,115.001 32.608,115.1 35,115.1 v1(35.025,115.075) ; v1(33.177,146.657) 33.177,146.648 33.35,146.475 35.987,146.475 37.582,144.88 50.321,144.88 50.941,145.5 54.525,145.5 55.15,146.125 55.15,150.37 X_21_6.1@53.5,152.02
  Bottom Layer w0.22: X19.12@21.8,172.5 24.85,169.45 24.85,168.314 24.89,168.274 24.89,165.021 24.63,164.761 24.63,162.283 24.89,162.023 24.89,161.193 24.675,160.978 24.675,159.081 24.465,158.871 24.465,156.557 25.045,155.977 25.045,155.849 32.489,148.405 32.807,148.405 33.375,147.837 v1@33.375,146.657 ; v1(33.177,146.657) 33.177,146.3 33.135,146.258 33.135,143.389 33.375,143.149 33.375,142.756 33.355,142.736 33.355,138.164 33.585,137.934 33.585,137.83 33.405,137.65 33.405,134.9 33.585,134.72 33.585,130.549 33.645,130.489 33.645,129.561 33.375,129.291 33.375,129.006 33.355,128.986 33.355,122.82 35.025,121.15 35.025,120.859 34.93,120.764 34.93,119.836 35.025,119.741 35.025,119.287 34.795,119.057 34.795,118.493 35.025,118.263 35.025,118.116 34.972,118.062 34.972,117.499 35.025,117.446 v1(35.025,115.075)
IN_P7: X19.15 X111.A21 X_21_7.1 | length 136.9
  Top Layer w0.22: v1(26.025,158.225) 27.6,159.8 35.8,159.8 37.575,158.025 43.55,158.025 43.875,158.35 68.025,158.35 71.3,161.625 71.3,166.72 X_21_7.1@69.75,168.27 ; X111.A21@26.23,116.43 27.581,117.781 v1(35.652,117.781)
  Bottom Layer w0.22: X19.15@34.5,179.5 26.17,171.17 26.17,168.86 26.21,168.82 26.21,164.474 26.19,164.454 26.19,164.172 26.43,163.932 26.43,163.029 26.45,163.009 26.45,162.081 26.21,161.841 26.21,160.647 25.995,160.432 25.995,156.894 26.365,156.524 26.365,156.396 33.036,149.725 33.353,149.725 34.737,148.342 34.737,145.993 34.455,145.711 34.455,143.936 34.695,143.696 34.695,142.21 34.675,142.19 34.675,138.71 34.965,138.42 34.965,137.343 34.725,137.103 34.725,135.447 34.965,135.207 34.965,129.014 34.695,128.744 34.695,128.46 34.675,128.44 34.675,123.366 36.56,121.481 36.56,120.752 36.73,120.582 36.73,118.455 36.056,117.781 v1(35.652,117.781)
IN_P8: X19.16 X111.A22 X_21_8.1 | length 107.9
  Top Layer w0.22: v1(25.75,163.65) 25.775,163.625 44.75,163.625 46.175,165.05 46.175,167.1 47.345,168.27 X_21_8.1@53.5,168.27 ; X111.A22@26.23,118.97 27.56,120.3 v1(36.05,120.3)
  Bottom Layer w0.22: X19.16@21.8,179.5 25.825,175.475 25.825,171.447 25.73,171.352 25.73,168.678 25.77,168.638 25.77,164.656 25.75,164.636 25.75,163.087 26.01,162.827 26.01,162.263 25.77,162.023 25.77,160.829 25.555,160.614 25.555,158.717 25.345,158.507 25.345,156.921 25.925,156.341 25.925,156.214 32.854,149.285 33.171,149.285 34.297,148.16 34.297,146.175 34.015,145.893 34.015,143.754 34.255,143.514 34.255,142.392 34.235,142.372 34.235,138.528 34.525,138.238 34.525,137.526 34.285,137.286 34.285,135.264 34.525,135.024 34.525,129.197 34.255,128.927 34.255,128.642 34.235,128.622 34.235,123.184 36.01,121.409 36.01,120.34 v1(36.05,120.3)
LCD_AIN0_X+: X9.39 X11.39 | length 119.5
  Top Layer w0.22: X9.39@151.844,171.485 152.924,172.565 159.935,172.565 v1(160.5,172) ; v1(163.383,122.731) 163.383,121.617 164.12,120.88 212.5,120.88 213.93,122.31 X11.39@213.93,127.07
  Bottom Layer w0.22: v1(160.5,172) 160.88,171.62 160.88,168.865 165.3,164.445 165.3,138.812 164.37,137.882 164.37,137.318 164.58,137.108 164.58,126.085 162.77,124.275 162.77,123.393 163.168,122.995 163.383,122.995 v1(163.383,122.731)
LCD_AIN1_X-: X9.40 X11.37 | length 116.7
  Top Layer w0.22: X9.40@154.384,171.485 154.384,171.32 161.18,171.32 v1(161.775,170.875) ; v1(164.603,121.56) 164.843,121.32 212.318,121.32 212.75,121.752 212.75,128.43 X11.37@213.93,129.61
  Bottom Layer w0.22: v1(161.775,170.875) 162.75,169.9 162.75,167.617 165.74,164.627 165.74,127.193 165.46,126.913 165.46,125.721 164.13,124.391 164.13,123.393 163.906,123.169 164.063,123.013 164.063,122.237 164.74,121.56 v1(164.603,121.56)
LCD_AIN2_Y+: X9.37 X11.38 | length 121.9
  Top Layer w0.22: X9.37@151.844,168.945 152.924,170.025 159.725,170.025 v1(159.75,170) ; v1(162.683,122.106) 162.943,121.846 162.943,121.435 163.938,120.44 213.568,120.44 215.25,122.122 215.25,128.39 X11.38@216.47,129.61
  Bottom Layer w0.22: v1(159.75,170) 160.44,169.31 160.44,168.682 164.815,164.307 164.815,138.949 163.93,138.064 163.93,137.136 164.14,136.926 164.14,126.268 162.33,124.458 162.33,122.459 v1(162.683,122.106)
LCD_AIN3_Y-: X9.38 X11.40 | length 116.4
  Top Layer w0.22: X9.38@154.384,168.945 159.555,168.945 v1(159.75,168.75) ; v1(162.263,121.225) 163.488,120 213.75,120 216.47,122.72 X11.40@216.47,127.07
  Bottom Layer w0.22: v1(159.75,168.75) 164.375,164.125 164.375,139.131 163.49,138.246 163.49,136.954 163.7,136.744 163.7,126.45 161.89,124.64 161.89,121.937 162.263,121.564 v1(162.263,121.225)
LCD_B0_VO: X8.19 X11.21 | length 15.4
  Top Layer w0.22: X8.19@200.104,146.085 201.519,147.5 205.553,147.5 207.983,149.93 X11.21@213.93,149.93
LCD_B1_CS1: X8.17 X11.22 | length 19.4
  Top Layer w0.22: X8.17@200.104,143.545 201.564,145.005 203.68,145.005 207.855,149.18 213.011,149.18 213.516,148.675 215.215,148.675 X11.22@216.47,149.93
LCD_B2_CS2: X8.16 X11.23 | length 15.2
  Top Layer w0.22: X8.16@202.644,141.005 205.565,143.926 205.565,144.977 208.243,147.655 208.807,147.655 209.072,147.39 X11.23@213.93,147.39 X11.23@213.62,147.7
LCD_B3: X8.34 X11.24 | length 30.6
  Top Layer w0.22: v1(208.525,146.975) 209.375,146.125 215.205,146.125 X11.24@216.47,147.39
  Bottom Layer w0.22: X8.34@202.644,163.865 206.89,163.865 208.525,162.23 v1(208.525,146.975)
LCD_B4: X8.35 X11.25 | length 33.7
  Top Layer w0.22: v1(209.775,145.175) 210.1,144.85 X11.25@213.93,144.85
  Bottom Layer w0.22: X8.35@200.104,166.405 201.199,167.5 204.55,167.5 209,163.05 209,147.462 209.205,147.257 209.205,145.745 v1(209.775,145.175)
LCD_B5: X8.33 X11.26 | length 34.5
  Top Layer w0.22: v1(208.9,143.575) 208.925,143.6 215.22,143.6 X11.26@216.47,144.85
  Bottom Layer w0.22: X8.33@200.104,163.865 201.469,162.5 205.7,162.5 207.7,160.5 207.7,144.775 v1(208.9,143.575)